# Altium PCB PFC_Stage.PcbDoc (part 3 of 5)
Units mil, origin at the board's own origin, x right, y up, seen from the top; angles counter-clockwise.
Board outline 14960.63 x 6299.21 mil, 2 copper layers (Top Layer, Bottom Layer), stack 64.567 mil thick; 586 components, 249 nets, 1375 pads, 1157 vias.
Unrouted connection lines stored in the file: 732.
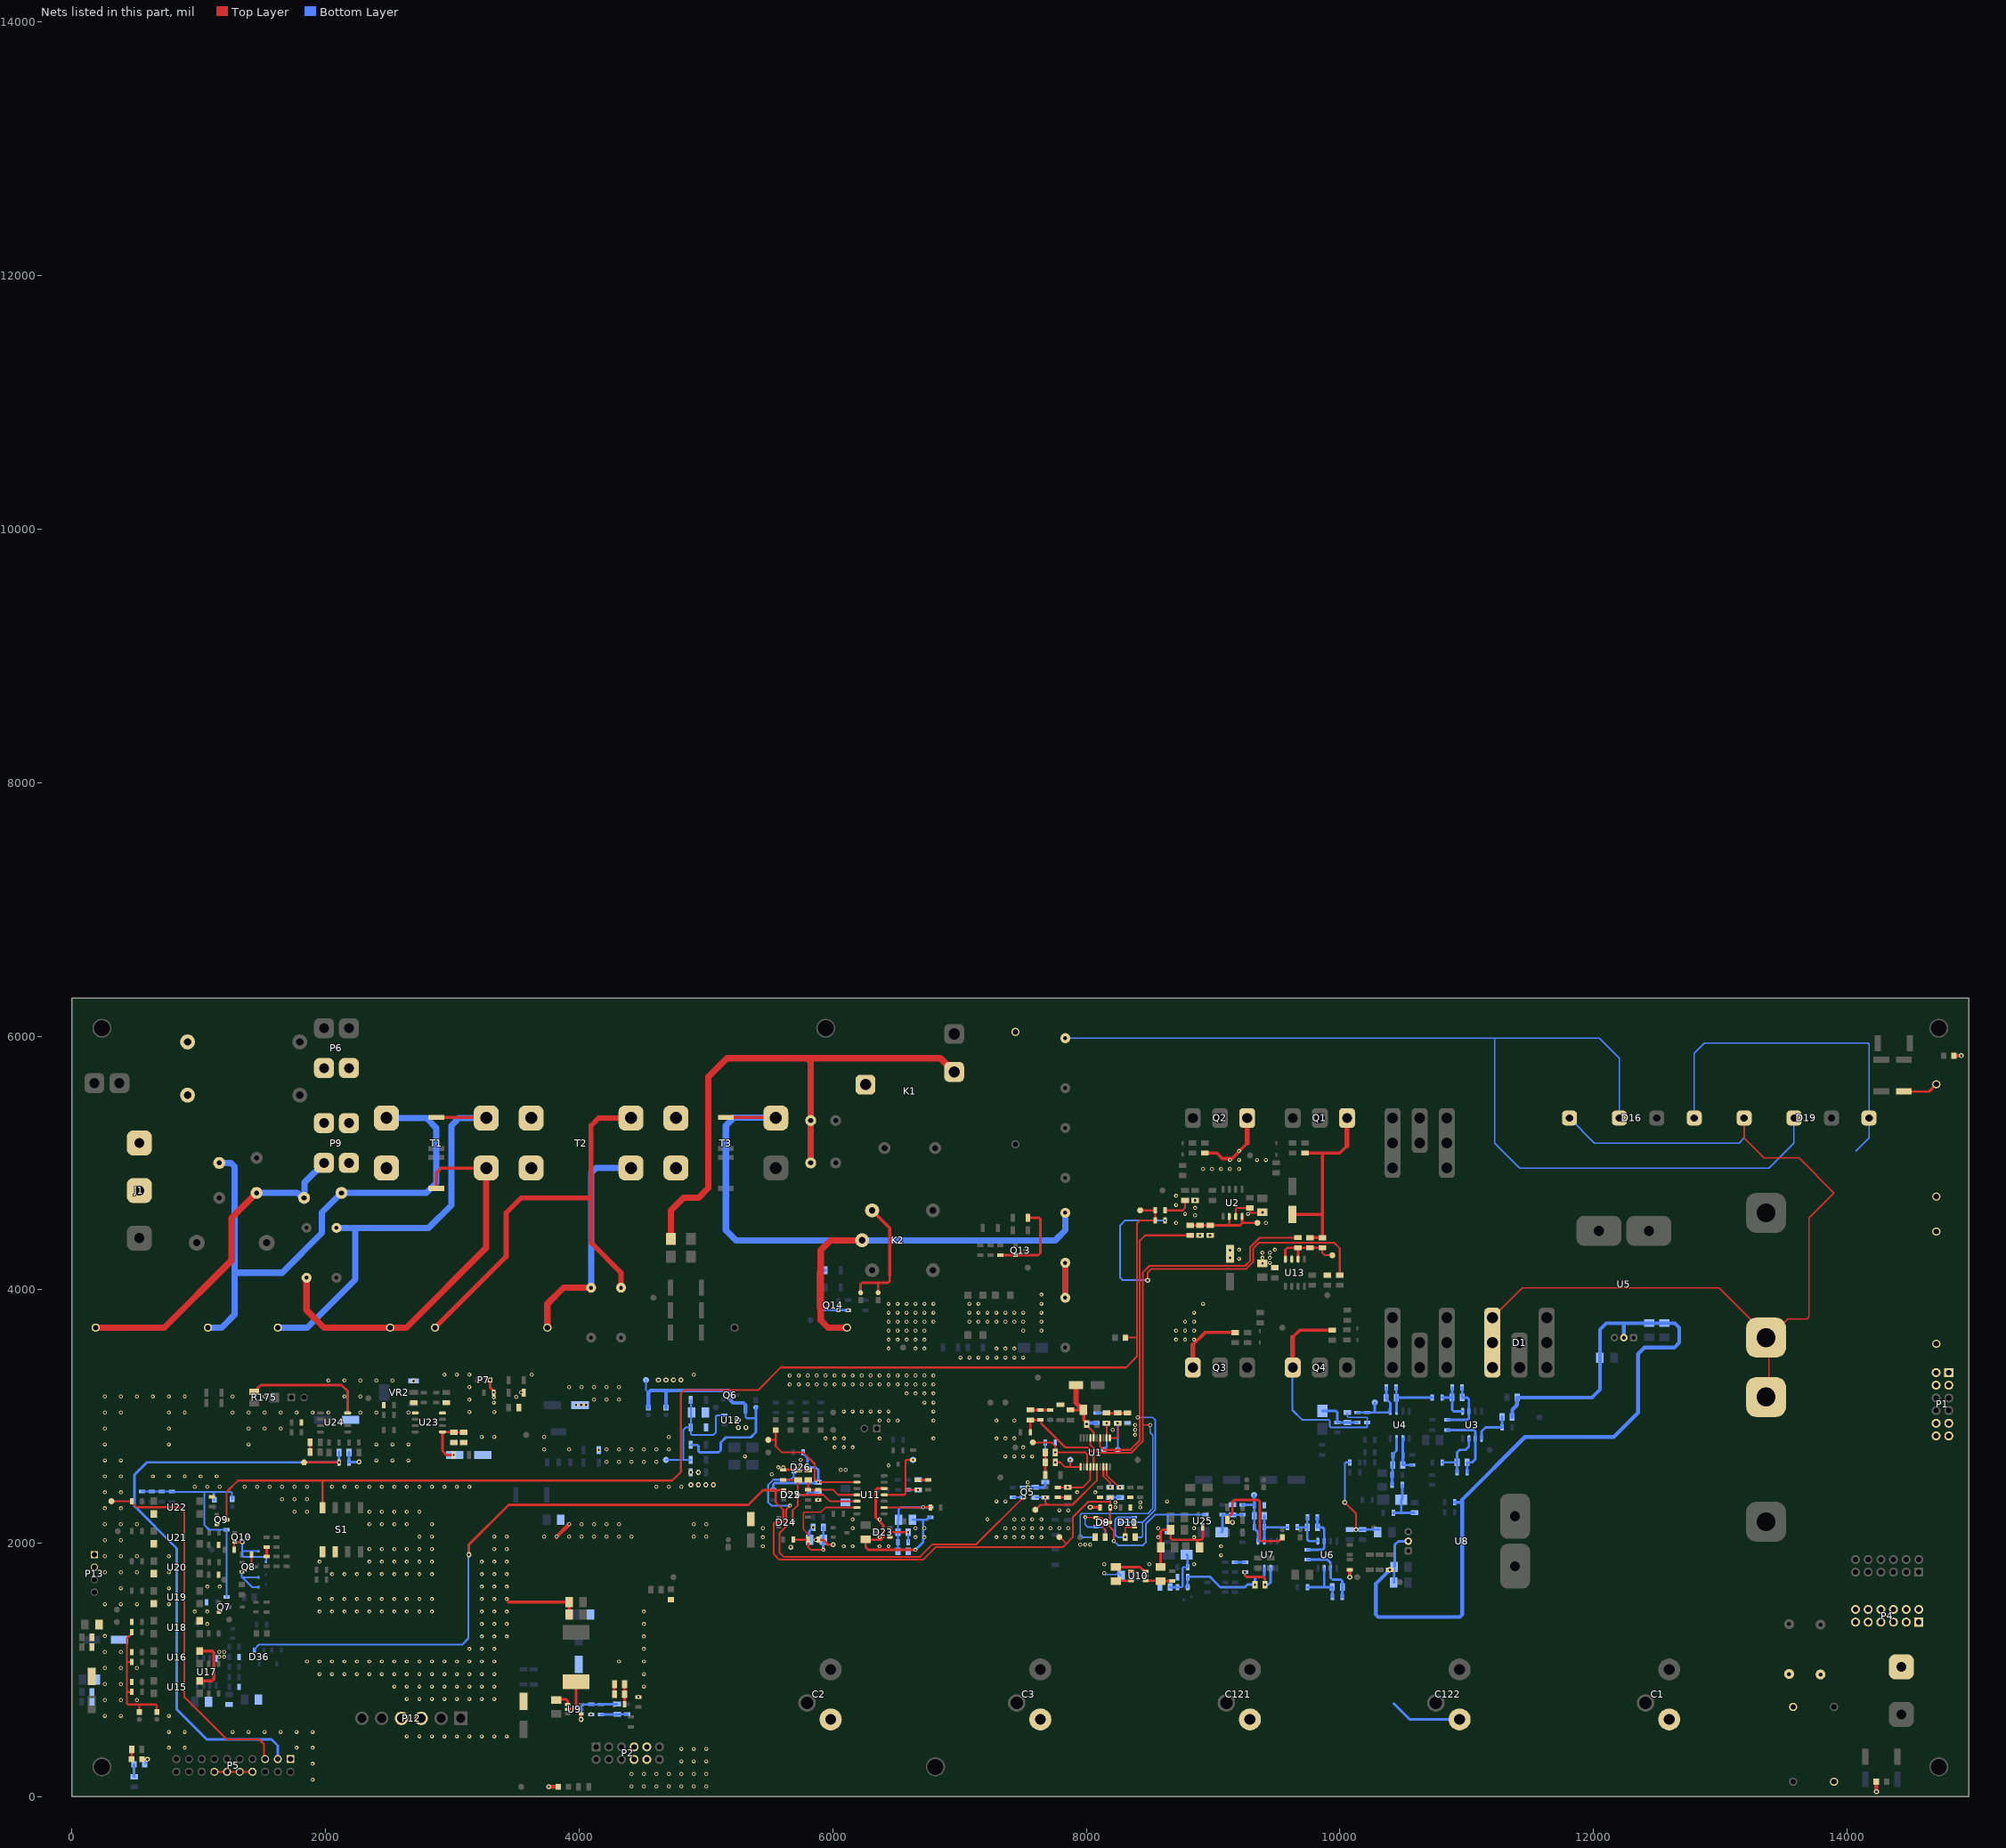
[diagram p3: the nets of this part, all layers, seen from the top]

## Via types
v1: diameter 31.5, hole 15.75, Top Layer to Bottom Layer, tented both sides, 804 vias
v2: diameter 39.37, hole 19.68, Top Layer to Bottom Layer, tented both sides, 282 vias
v3: diameter 50, hole 19.68, Top Layer to Bottom Layer, tented both sides, 68 vias
v4: diameter 50, hole 28, Top Layer to Bottom Layer, tented both sides, 3 vias

## Nets (pads, with @x,y where several pads share a name; then routed paths per layer and width w, separated by ;. In a path a pad name is that pad's centre, name@x,y a point inside that pad or via, vN(x,y) a via of type N, cw(c..) or ccw(c..) an arc to the next point about the centre after c; other vN are vias at no path point) (continued)
CSB: CSB.1 D9.3 D25.1 D36.1 R19.2 R22.1 R28.2 R82.1 R83.1 | length 10180.6
  Top Layer w15: 5551.18,2419.29 5551.18,2322.83 5610.85,2263.17 5610.85,2174.14 5602.06,2165.35 5543.47,2165.35 5534.69,2156.57 5534.69,1914.9 5579.51,1870.08 6712.6,1870.08 6811.02,1968.5 7814.96,1968.5 7843.2,1996.75 ; CSB.1@7787.4,2049.21 7790.74,2049.21 7843.2,1996.75 ; R28.2@8188.98,2362.2 8188.98,2327.15 ; v1(8216.91,2017.41) 8218.81,2019.31 8218.81,2096.15 8184.06,2130.91 D9.3@8184.06,2165.35 8184.67,2165.35 8188.98,2169.67 v1(8188.98,2283.46) 8188.98,2327.15 ; 7843.2,1996.75 7893.7,2047.24 7893.7,2204.72 8016.12,2327.15 8188.98,2327.15
  Top Layer w20: v2(3130.61,1909.45) 3129.92,1910.14 3129.92,1988.24 3444.83,2303.15 5334.65,2303.15 5450.79,2419.29 5551.18,2419.29 D25.1@5615.16,2419.29
  Bottom Layer w15: D36.1@1438.98,1156.5 1438.98,1164.37 1475.39,1200.79 3077.89,1200.79 3126.73,1249.63 3126.73,1905.57 v2(3130.61,1909.45) ; v1(8216.91,2017.41) 8250.16,1984.16 8447.32,1984.16 8469.8,2006.64 8469.8,2151.51 8542.7,2224.41 8641.73,2224.41 ; R83.1@8641.73,2086.61 8641.73,2224.41 ; R82.1@8937.01,2224.41 8641.73,2224.41
Driver_Enable_9: DE_TP.1 LED_Drv.1 Q9.3 R204.2 R205.1 R229.2 S1.4 | length 9907.8
  Top Layer w15: Q9.3@1220.07,2185.77 1220.07,2404.66 1309.72,2494.31 1975.98,2494.31 ; S1.4@1975.98,2279.53 1975.98,2494.31 ; LED_Drv.1@8309.06,3622.05 8397.96,3622.05 8399.53,3623.61 ; DE_TP.1@8425.2,4625.98 R204.2@8543.31,4625.98 R229.2@8543.31,4547.24 8425.2,4547.24 8399.53,4521.58 8399.53,3623.61 ; 1975.98,2494.31 4734.92,2494.31 4803.15,2562.54 4803.15,3178.47 4833.34,3208.66 5413.39,3208.66 5590.55,3385.83 8313.07,3385.83 8399.53,3472.29 8399.53,3623.61
  other v1: 1220.47,2185.04
Driver_Enable_SIG_9: GATE_EN_ISO_TP.1 P5.5 R209.2 | length 2978
  Top Layer w15: GATE_EN_ISO_TP.1@311.69,2331.44 R209.2@472.44,2331.44 472.44,2320.61 509.59,2283.46 846.46,2283.46 885.83,2244.1 885.83,787.4 1220.47,452.76 1476.38,452.76 1515.75,413.39 1515.75,304.72 P5.5@1523.62,296.85
ENA: R162.2 R204.1 | length 224.1
  Top Layer w15: R204.1@8622.05,4625.98 8759.84,4625.98 8779.53,4645.67 R162.2@8779.53,4704.09
ENB: R165.2 R229.1 | length 2974.6
  Top Layer w15: v2(8484.25,4074.8) 8484.25,4133.86 8515.19,4164.79 9263.22,4164.79 9315.49,4217.06 9315.49,4324.63 9361.61,4370.75 9955.52,4370.75 10000,4326.28 R165.2@10000,4114.8
  Bottom Layer w15: v2(8484.25,4074.8) 8287.4,4074.8 8267.72,4094.49 8267.72,4507.87 8307.09,4547.24 v1(8622.05,4547.24)
GDA: D11.3 R17.1 R163.1 U1.14 | length 3769
  Top Layer w12: v1(8405.51,2992.13) 8422.01,2992.13
  Top Layer w15: U1.14@8109.25,2830.71 8109.25,2765.68 8138.71,2736.22 8346.46,2736.22 8422.01,2811.77 8422.01,2992.13 8422.01,3365.06 8422.41,3365.45 8422.41,4386.97 8464.57,4429.13 8818.27,4429.13 R163.1@8818.9,4428.5
  Bottom Layer w12: D11.3@8272.64,2165.35 8444.88,2165.35 8444.88,2054.27 8437.85,2047.24 R17.1@8385.2,2047.24 ; v1(8405.51,2992.13) 8523.62,2992.13 8544.91,2970.83 8544.91,2266.68 8443.59,2165.35
GDB: D8.3 R16.1 R166.1 U1.17 | length 4938.3
  Top Layer w12: 8444.88,2933.07 v1(8503.94,2933.07)
  Top Layer w15: U1.17@8032.48,2830.71 8032.48,2774.61 8093.74,2713.35 8355.93,2713.35 8444.88,2802.3 8444.88,2933.07 8444.88,3355.58 8445.28,3355.98 8445.28,4134.26 8498.88,4187.86 9253.94,4187.86 9291.34,4225.26 9291.34,4332.83 9369.21,4410.7 R166.1@9670.52,4410.7
  Bottom Layer w12: R16.1@8070.88,2047.24 7972.44,2047.24 7952.76,2066.93 7952.76,2224.41 7963.49,2235.14 8184.06,2235.14 ; D8.3@8184.06,2165.35 8184.06,2235.14 ; v1(8503.94,2933.07) 8503.94,2874.02 8525.04,2852.91 8525.04,2274.91 8485.27,2235.14 8184.06,2235.14
GND_D: 5V_D.1 15V_D.1 C107.2 C108.2 C111.2 C115.2 C116.2 C118.1 C123.2 C127.2 C128.2 C129.2 C130.2 C131.2 C132.1 C133.1 P5.1 P5.8 P5.10 P5.12 P5.14 P13.1 P13.2 R175.3 R182.1 R185.1 R186.2 R250.2 R251.2 R255.2 U19.2 U20.2 U21.2 U22.2 U23.5 U24.4 VR2.1 | length 1586.4
  Top Layer w15: P5.14@1123.62,196.85 P5.12@1223.62,196.85 P5.10@1323.62,196.85 P5.8@1423.62,196.85
  Top Layer w20: 5V_D.1@553.15,295.28 v2(594.49,295.28) ; R175.3@1437.01,3194.88 1450.79,3194.88 1466.38,3210.47 1466.38,3224.25 1490.16,3248.03 2125.98,3248.03 2174.21,3199.8 U24.4@2174.21,3027.76 ; C116.2@1877.66,2717.59 1878.07,2718.01 1878.07,2794.86 C115.2@1878.49,2795.28
  Bottom Layer w10: 15V_D.1@572.83,255.91 589.49,272.56 589.49,290.28 v2(594.49,295.28)
  Bottom Layer w20: C111.2@2185.67,2716.54 2185.35,2716.22 2185.35,2638.11 R251.2@2185.04,2637.8 2186.54,2639.3 2261.4,2639.3 v2(2263.78,2641.67)
  other v1: 1897.64,133.86 1897.64,259.84 763.78,385.83 889.76,385.83 1771.65,385.83 1897.64,385.83 763.78,511.81 889.76,511.81 1267.72,511.81 1393.7,511.81 1519.69,511.81 1645.67,511.81 1771.65,511.81 1897.64,511.81 259.84,637.8 385.83,637.8 763.78,637.8 259.84,763.78 385.83,763.78 511.81,763.78 259.84,889.76 385.83,889.76 259.84,1015.75 385.83,1015.75 511.81,1015.75 259.84,1141.73 385.83,1141.73 259.84,1267.72 259.84,1519.69 385.83,1519.69 511.81,1519.69 763.78,1519.69 385.83,1645.67 763.78,1645.67 259.84,1771.65 385.83,1771.65 511.81,1771.65 763.78,1771.65 259.84,1897.64 385.83,1897.64 511.81,1897.64 763.78,1897.64 259.84,2023.62 385.83,2023.62 259.84,2149.61 385.83,2149.61 511.81,2149.61 259.84,2275.59 385.83,2275.59 259.84,2401.58 385.83,2401.58 259.84,2527.56 385.83,2527.56 637.8,2527.56 763.78,2527.56 889.76,2527.56 1015.75,2527.56 1141.73,2527.56 259.84,2653.54 385.83,2653.54 2401.58,2653.54 2527.56,2653.54 2653.54,2653.54 259.84,2779.53 763.78,2779.53 1393.7,2779.53 2401.58,2779.53 2527.56,2779.53 2653.54,2779.53 259.84,2905.51 763.78,2905.51 1393.7,2905.51 1519.69,2905.51 1645.67,2905.51 259.84,3031.5 385.83,3031.5 763.78,3031.5 889.76,3031.5 1267.72,3031.5 1393.7,3031.5 1519.69,3031.5 1645.67,3031.5 1771.65,3031.5 1897.64,3031.5 2023.62,3031.5 2275.59,3031.5 2401.58,3031.5 2653.54,3031.5 259.84,3157.48 385.83,3157.48 511.81,3157.48 637.8,3157.48 763.78,3157.48 889.76,3157.48 1267.72,3157.48 1519.69,3157.48 2149.61,3157.48 2275.59,3157.48 2023.62,3283.47 2149.61,3283.47 2275.59,3283.47 2401.58,3283.47 2527.56,3283.47
  other v2: 2693.9,3279.53
GND_HV: C1.2 C2.2 C3.2 C4.2 C5.1 C6.1 C7.1 C8.1 C9.1 C10.1 C11.2 C12.2 C14.2 C16.2 C18.2 C19.2 C20.2 C21.2 C22.2 C23.2 C26.1 C28.1 C31.1 C32.1 C33.1 C38.1 C41.1 C43.1 C44.1 C46.1 C47.1 C48.1 C53.1 C57.1 C58.1 C69.1 C70.2 C71.1 C72.2 C75.1 C76.1 C77.1 C78.1 C79.2 C80.2 C81.1 C84.1 C85.2 C86.1 C87.2 C88.1 C89.2 C90.2 C91.2 C92.1 C93.2 C94.1 C95.1 C96.1 C97.2 C98.1 C99.1 C100.1 C101.2 C102.1 C103.1 C104.2 C109.2 C112.1 C113.2 C117.2 C119.1 C120.1 C121.2 C122.2 C124.2 C125.2 C126.2 D16.3 D19.3 GND_OA.1 LED_5V.1 LED_15V.1 LED_400V.1 LED_HV_RC.1 P1.9 P1.10 P1.11 P1.12 P2.7 P2.8 P2.9 P2.10 P4.1 P4.2 P4.3 P4.4 P4.5 P4.6 P4.7 P4.8 P4.9 P4.10 P4.11 P4.12 P7.1 P11.2 P12.3 P12.4 Q1.3 Q2.3 Q3.3 Q4.3 Q5.3 Q7.2 Q9.2 Q13.2 Q14.2 R5.1 R6.1 R14.1 R15.1 R18.1 R22.2 R23.1 R24.1 R29.2 R31.2 R33.1 R34.2 R35.2 R36.2 R37.2 R39.2 R40.2 R41.2 R54.2 R63.1 R65.1 R67.1 R69.2 R80.2 R81.2 R90.1 R92.1 R94.1 R114.1 R116.1 R123.2 R132.2 R138.2 R140.2 R144.2 R149.1 R151.1 R158.1 R159.1 R164.1 R167.1 R168.2 R170.2 R192.1 R196.2 R199.1 R210.1 R212.1 R214.1 R218.1 R220.1 R227.2 R228.1 R232.1 R237.2 R242.1 R245.1 R249.2 S1.5 S1.6 U1.16 U2.3 U5.2 U8.2 U9.1 U10.4 U11.12 U12.3 U13.3 U15.2 U16.2 U17.4 U18.2 U23.4 U25.3 | length 25045.3
  Top Layer w10: Q1.3@10056.69,5354.33 10056.69,5355.74 10112.67,5411.71 Q1.3@10114.08,5411.71
  Top Layer w15: v2(8003.79,2940.18) 8003.79,2930.18 8016.29,2917.68 8016.9,2917.68 8058.07,2876.51 U1.16@8058.07,2830.71 ; U2.3@9178.54,4577.76 9178.54,4636.25 9187.33,4645.04 C94.1@9291.34,4645.04 9291.34,4615.09 9300.13,4606.3 9385.71,4606.3 v2(9389.76,4610.35) ; v2(10039.37,2322.83) 10127.95,2234.25 v2(10127.95,2107.24)
  Top Layer w20: R227.2@1535.43,1895.67 R237.2@1535.43,1968.5 ; P7.1@3298.03,3287.4 3298.03,3228.54 3326.77,3199.8 v1(3326.77,3188.98) ; C70.2@3818.9,763.66 3822.95,767.72 3897.46,767.72 3909.18,756 U9.1@3909.18,728.06 ; R138.2@5610.24,2578.74 5610.55,2579.06 5728.03,2579.06 C84.1@5728.35,2579.37 C87.2@5807.09,2579.37 ; R132.2@5885.83,2027.56 5925.2,2027.56 5964.57,1988.19 v2(6003.94,1988.19) ; U11.12@6406.5,2431.89 6350.3,2431.89 6338.58,2420.17 6338.58,2204.72 6397.64,2145.67 6397.64,2047.24 6377.95,2027.56 6263.9,2027.56 C90.2@6259.84,2031.61 6259.84,1968.5 6279.53,1948.82 v1(6653.54,1948.82) ; R149.1@6673.23,2500 R151.1@6751.97,2500 ; R212.1@7322.83,4271.65 7323.82,4272.64 7439.96,4272.64 Q13.2@7440.94,4273.62 7620.08,4273.62 7637.8,4291.34 7637.8,4555.21 7626.08,4566.93 R210.1@7540.35,4566.93 ; C12.2@7559.06,3051.81 7559.37,3051.5 7637.48,3051.5 R29.2@7637.8,3051.18 R40.2@7716.54,3051.18 ; R39.2@7676.18,2539.37 7676.36,2539.55 7676.36,2637.62 C21.2@7676.54,2637.8 C14.2@7676.55,2716.54 ; R31.2@7775.59,2361.57 7775.91,2361.26 7854.02,2361.26 C19.2@7854.33,2360.94 ; C20.2@7874.02,3051.81 7975.87,3051.81 C23.2@7976.5,3051.18 ; C18.2@8161.07,3027.42 8161.24,3027.25 8247.85,3027.25 C16.2@8248.02,3027.08 ; C16.2@8248.05,3027.04 C117.2@8326.25,3027.04 ; U10.4@8338.74,1777.24 8339.99,1778.49 U10.4@8352.36,1778.49 ; C76.1@8586.58,1811.72 8586.58,1968.35 C77.1@8586.73,1968.5 8586.73,2090.67 8602.36,2106.3 R123.2@8665.47,2106.3 8665.47,2039.27 8677.19,2027.56 8877.95,2027.56 ; C78.1@8893.58,1968.5 8877.95,1984.13 8877.95,2027.56 ; U25.3@8919.29,2122.05 8919.29,2039.27 8907.58,2027.56 8877.95,2027.56 ; R94.1@9113.19,2185.04 9113.19,2199.8 9153.54,2240.16 9153.54,2330.8 9165.26,2342.52 9358.36,2342.52 9370.08,2330.8 9370.08,2028.45 9381.79,2016.73 9516.73,2016.73 9533.62,2033.62 9537.56,2033.62 9547.24,2043.31 GND_OA.1@9547.24,2047.24
  Top Layer w25: U15.2@1007.87,914.57 1104.21,914.57 1118.85,929.21 1118.85,1136.14 1104.21,1150.79 U16.2@1007.87,1150.79 ; 3444.88,1535.43 C124.2@3921.38,1535.43 C72.2@3921.38,1437.01 ; C23.2@7976.5,3051.18 7980.29,3047.39 7980.29,2973.68 8003.79,2950.18 v2(8003.79,2940.18) ; v2(8031.5,2283.46) R22.2@8110.24,2283.46 ; 8840.94,3565.35 8937.64,3662.05 R14.1@9173.23,3662.05 ; R5.1@8937.01,5078.11 9030.03,5078.11 9073.4,5034.74 9148.92,5034.74 9269.29,5155.12 ; R94.1@9113.19,2185.04 9113.19,2172.34 9117.42,2168.1 9150.79,2168.1 v2(9153.54,2165.35) ; C96.1@9625.98,4594.49 9862.2,4594.49 ; 9628.35,3624.41 9685.67,3681.73 R15.1@9940.94,3681.73 ; R6.1@9724.41,5078.11 9862.2,5078.11 ; C97.2@9763.78,4410.08 R167.1@9862.2,4410.08 9862.2,4594.49 ; 10056.69,5135.43 9999.37,5078.11 9862.2,5078.11 ; v2(10078.74,1732.28) R92.1@10078.74,1791.34 ; 9862.2,4594.49 9862.2,5078.11
  Top Layer w30: v2(3759.84,78.74) LED_15V.1@3834.65,78.74 ; v1@3820.86,2049.21 v1(3921.26,2149.61) ; LED_400V.1@14230.31,118.11 14231.3,117.13 14231.3,40.35 v2(14232.28,39.37) ; LED_HV_RC.1@14844.49,5846.46 v2(14901.57,5846.46)
  Top Layer w39.37: C22.2@7919.42,3247.36 7919.42,3108.26 7956.18,3071.5 7966.18,3071.5 7976.5,3061.18 C23.2@7976.5,3051.18
  Top Layer w40: Q3.3@8840.94,3385.83 8840.94,3565.35 ; 9269.29,5155.12 Q2.3@9269.29,5354.33 ; Q4.3@9628.35,3385.83 9628.35,3624.41 ; 10056.69,5135.43 Q1.3@10056.69,5354.33
  Bottom Layer w10: 8129.92,1751.97 8236.24,1751.97 8250.35,1766.08 C75.1@8274.78,1741.64 ; Q4.3@9628.35,3385.83 Q4.3@9645.67,3368.5 ; D16.3@12795.28,5354.33 12795.28,5866.14 12874.02,5944.88 14167.37,5944.88 14173.23,5939.02 14173.23,5196.85 14070.08,5093.7
  Bottom Layer w12: Q4.3@9625.98,3383.46 Q4.3@9628.35,3385.83 ; C28.1@10059.06,3032.13 10059.06,2999.16 10066.08,2992.13 10209.51,2992.13 10216.54,2985.1 R54.2@10216.54,2952.76
  Bottom Layer w15: Q4.3@9625.98,3383.46 9625.98,3051.18 9704.73,2972.44 9912.47,2972.44 9921.26,2963.65 9921.26,2922.17 9930.05,2913.39 10209.51,2913.39 10216.54,2920.42 R54.2@10216.54,2952.76 ; v2(10039.37,2322.83) 10039.37,2629.01 10048.16,2637.8 R63.1@10078.74,2637.8
  Bottom Layer w20: C80.2@5817.05,2027.56 5817.05,2094.27 5828.76,2105.98 5835.83,2105.98 5845.83,2115.98 C81.1@5845.83,2125.98 ; R220.1@5943.9,4153.54 5897.54,4153.54 5885.83,4141.83 5885.83,3850.3 5897.54,3838.58 6041.34,3838.58 Q14.2@6043.31,3840.55 v1(6044.29,3839.57) 6121.06,3839.57 R218.1@6122.05,3838.58 ; C85.2@6629.8,2185.04 6712.6,2185.04 ; v1(6653.54,1948.82) 6712.6,2007.87 6712.6,2185.04 ; R140.2@6771.65,2204.72 6760.83,2204.72 6741.14,2185.04 6712.6,2185.04 ; R24.1@7500,2440.94 v1(7539.37,2440.94) 7597.8,2440.94 C11.2@7598.43,2441.57 7599.06,2440.94 7665.45,2440.94 7677.17,2452.66 R18.1@7677.17,2481.3 ; C9.1@8188.98,2361.57 C10.1@8267.72,2361.57 ; R90.1@9173.23,1850.39 R69.2@9251.97,1850.39 ; v2(10127.95,2107.24) 10176.85,2107.24 C46.1@10177.17,2107.56 C53.1@10310.28,2107.56 ; 10425.94,735.48 10551.18,610.24 C122.2@10944.88,610.24 ; C47.1@10425.94,1690.8 10427.66,1692.52 C48.1@10427.66,1812.12 10433.07,1817.53 10433.07,1988.19 10460.63,2015.75 U8.2@10539.37,2015.75
  Bottom Layer w25: v2(8003.79,2940.18) 8007.68,2940.18 8016.6,2949.1 R37.2@8081.47,2949.1 ; R65.1@10905.51,2322.83 10961.74,2322.83 10964.57,2320
  Bottom Layer w30: v2(10393.7,1790.35) 10284.64,1681.3 10284.64,1434.9 10302.22,1417.32 10946.99,1417.32 10964.57,1434.9 10964.57,2320 10964.57,2342.52 11460.06,2838.02 12160.58,2838.02 12351.75,3029.18 12351.75,3493.48 12401.57,3543.31 12637.8,3543.31 12677.17,3582.68 12677.17,3700.79 12641.85,3736.1 C33.1@12559.06,3736.1 C32.1@12440.94,3736.1 12240.55,3736.1 ; C31.1@11359.53,2997.13 11359.53,3052.44 11397.64,3090.55 11397.64,3148.98 C26.1@11398.27,3149.61 11988.19,3149.61 12051.3,3212.72 C38.1@12051.3,3464.57 12051.3,3685.16 12102.24,3736.1 12240.55,3736.1 ; U5.2@12240.55,3622.05 12240.55,3736.1
  other v1: 4413.39,82.68 4511.81,82.68 4610.24,82.68 4708.66,82.68 4807.09,82.68 4905.51,82.68 5003.94,82.68 4413.39,181.1 4511.81,181.1 4610.24,181.1 4708.66,181.1 4807.09,181.1 4905.51,181.1 5003.94,181.1 4807.09,279.53 4905.51,279.53 5003.94,279.53 4807.09,377.95 4905.51,377.95 5003.94,377.95 2641.73,476.38 2740.16,476.38 2838.58,476.38 2937.01,476.38 3035.43,476.38 3133.86,476.38 3232.28,476.38 3330.71,476.38 3429.13,476.38 4094.49,649.61 2641.73,771.65 2740.16,771.65 2838.58,771.65 2937.01,771.65 3035.43,771.65 3133.86,771.65 3232.28,771.65 3330.71,771.65 4468.5,787.4 2543.31,870.08 2641.73,870.08 2740.16,870.08 2838.58,870.08 2937.01,870.08 3035.43,870.08 3133.86,870.08 3232.28,870.08 3330.71,870.08 4511.81,870.08 1952.76,968.5 2051.18,968.5 2149.61,968.5 2248.03,968.5 2346.46,968.5 2444.88,968.5 2543.31,968.5 2641.73,968.5 2740.16,968.5 2838.58,968.5 2937.01,968.5 3035.43,968.5 3133.86,968.5 3232.28,968.5 3330.71,968.5 4511.81,968.5 1854.33,1066.93 1952.76,1066.93 2051.18,1066.93 2149.61,1066.93 2248.03,1066.93 2346.46,1066.93 2444.88,1066.93 2543.31,1066.93 2641.73,1066.93 2740.16,1066.93 2838.58,1066.93 2937.01,1066.93 3035.43,1066.93 3133.86,1066.93 3232.28,1066.93 3330.71,1066.93 4314.96,1066.93 4511.81,1066.93 1161.42,1102.36 1200.79,1102.36 1161.42,1141.73 1200.79,1141.73 3133.86,1165.35 3232.28,1165.35 3330.71,1165.35 4511.81,1165.35 3232.28,1263.78 3330.71,1263.78 3429.13,1263.78 4511.81,1263.78 1066.93,1362.2 3232.28,1362.2 3330.71,1362.2 3429.13,1362.2 4511.81,1362.2 968.5,1460.63 1066.93,1460.63 1952.76,1460.63 2051.18,1460.63 2149.61,1460.63 2248.03,1460.63 2346.46,1460.63 2444.88,1460.63 2543.31,1460.63 2641.73,1460.63 2740.16,1460.63 2838.58,1460.63 3232.28,1460.63 3330.71,1460.63 3429.13,1460.63 4511.81,1460.63 1952.76,1559.06 2051.18,1559.06 2149.61,1559.06 2248.03,1559.06 2346.46,1559.06 2444.88,1559.06 2543.31,1559.06 2641.73,1559.06 2740.16,1559.06 2838.58,1559.06 3232.28,1559.06 3330.71,1559.06 3429.13,1559.06 1066.93,1657.48 1165.35,1657.48 3232.28,1657.48 3330.71,1657.48 3429.13,1657.48 2051.18,1755.91 2149.61,1755.91 2248.03,1755.91 2346.46,1755.91 2444.88,1755.91 2543.31,1755.91 2641.73,1755.91 2740.16,1755.91 2838.58,1755.91 3232.28,1755.91 3330.71,1755.91 3429.13,1755.91 8141.73,1763.78 8141.73,1834.64 8496.06,1834.64 8850.39,1834.64 1952.76,1854.33 2346.46,1854.33 2444.88,1854.33 2543.31,1854.33 2641.73,1854.33 2740.16,1854.33 2838.58,1854.33 3232.28,1854.33 3330.71,1854.33 3429.13,1854.33 9062.99,1905.51 2346.46,1952.76 2444.88,1952.76 2543.31,1952.76 2641.73,1952.76 2740.16,1952.76 2838.58,1952.76 3330.71,1952.76 3429.13,1952.76 5448.82,1976.38 6086.61,1976.38 6157.48,1976.38 6370.07,1976.38 6440.94,1976.38 9062.99,1976.38 7952.76,1988.19 7992.13,1988.19 8031.5,1988.19 5866.14,2027.56 5448.82,2047.24 6370.07,2047.24 6653.54,2047.24 6724.4,2047.24 7291.33,2047.24 7362.2,2047.24 7433.07,2047.24 7503.93,2047.24 7574.8,2047.24 7645.66,2047.24 8566.92,2047.24 8850.39,2047.24 2740.16,2051.18 2838.58,2051.18 3330.71,2051.18 3429.13,2051.18 3724.41,2051.18 3822.83,2051.18 3921.26,2051.18 4019.69,2051.18 4118.11,2051.18 4216.54,2051.18 4314.96,2051.18 4413.39,2051.18 4905.51,2051.18 5003.94,2051.18 5448.82,2118.11 6157.48,2118.11 6653.54,2118.11 6724.4,2118.11 7362.2,2118.11 7433.07,2118.11 7503.93,2118.11 7574.8,2118.11 7645.66,2118.11 7716.53,2118.11 7787.4,2118.11 7858.26,2118.11 8566.92,2118.11 8850.39,2118.11 5846.46,2125.98 2346.46,2149.61 2444.88,2149.61 2543.31,2149.61 2641.73,2149.61 2838.58,2149.61 4019.69,2149.61 4118.11,2149.61 4216.54,2149.61 4314.96,2149.61 4905.51,2149.61 5003.94,2149.61 6157.48,2188.97 6370.07,2188.97 7220.47,2188.97 7433.07,2188.97 7503.93,2188.97 7574.8,2188.97 7645.66,2188.97 1755.91,2248.03 1854.33,2248.03 2346.46,2248.03 2444.88,2248.03 2543.31,2248.03 2641.73,2248.03 2740.16,2248.03 7787.4,2259.84 7858.26,2259.84 8228.35,2283.46 8425.2,2283.46 8228.35,2322.83 8425.2,2322.83 7291.33,2330.71 7362.2,2330.71 8637.79,2330.71 5885.83,2342.52 1657.48,2346.46 1755.91,2346.46 1854.33,2346.46 5661.41,2401.57 7929.13,2401.57 8070.86,2401.57 968.5,2444.88 1066.93,2444.88 1165.35,2444.88 1362.2,2444.88 1460.63,2444.88 1559.06,2444.88 1657.48,2444.88 1755.91,2444.88 1854.33,2444.88 2051.18,2444.88 2149.61,2444.88 2248.03,2444.88 2346.46,2444.88 2444.88,2444.88 2543.31,2444.88 2641.73,2444.88 2740.16,2444.88 2838.58,2444.88 2937.01,2444.88 3035.43,2444.88 3133.86,2444.88 4610.24,2444.88 4708.66,2444.88 4807.09,2444.88 7539.37,2480.32 5519.68,2543.3 5748.03,2578.74 6062.99,2578.74 6102.36,2578.74 5570.87,2598.43 5610.24,2598.43 6440.94,2614.17 5748.03,2618.11 4216.54,2641.73 4314.96,2641.73 4413.39,2641.73 4511.81,2641.73 4610.24,2641.73 5748.03,2657.48 5307.08,2685.04 7362.2,2685.04 7433.07,2685.04 7503.93,2685.04 7574.8,2685.04 4154.53,2736.22 3724.41,2740.16 3921.26,2740.16 4216.54,2740.16 4314.96,2740.16 4413.39,2740.16 4511.81,2740.16 4610.24,2740.16 4708.66,2740.16 6015.74,2755.9 6086.61,2755.9 6157.48,2755.9 7503.93,2755.9 5944.88,2826.77 6015.74,2826.77 6086.61,2826.77 6370.07,2826.77 6795.27,2826.77 7291.33,2826.77 7362.2,2826.77 7433.07,2826.77 3232.28,2838.58 3330.71,2838.58 3724.41,2838.58 4708.66,2838.58 8385.83,2854.33 8208.66,2893.7 8385.83,2893.7 8385.83,2933.07 6370.07,2968.5 6440.94,2968.5 6511.81,2968.5 6795.27,2968.5 7291.33,2968.5 7433.07,2968.5 3133.86,3035.43 3330.71,3035.43 6086.61,3039.37 6157.48,3039.37 6228.34,3039.37 6299.21,3039.37 6370.07,3039.37 6440.94,3039.37 6795.27,3039.37 3976.38,3090.55 4015.75,3090.55 4055.12,3090.55 3326.77,3110.24 6724.4,3110.23 6795.27,3110.23 3133.86,3133.86 4118.11,3133.86 4216.54,3133.86 4314.96,3133.86 3326.77,3149.61 3503.94,3154.53 6582.67,3181.1 6653.54,3181.1 6724.4,3181.1 6795.27,3181.1 3543.31,3188.98 3133.86,3232.28 3921.26,3232.28 4019.69,3232.28 4118.11,3232.28 4216.54,3232.28 4314.96,3232.28 5661.41,3251.97 5732.28,3251.97 5803.15,3251.97 5874.01,3251.97 5944.88,3251.97 6015.74,3251.97 6086.61,3251.97 6157.48,3251.97 6228.34,3251.97 6299.21,3251.97 6370.07,3251.97 6440.94,3251.97 6511.81,3251.97 6582.67,3251.97 6653.54,3251.97 6724.4,3251.97 6795.27,3251.97 5661.41,3322.83 5732.28,3322.83 5803.15,3322.83 5874.01,3322.83 5944.88,3322.83 6015.74,3322.83 6086.61,3322.83 6157.48,3322.83 6228.34,3322.83 6299.21,3322.83 6370.07,3322.83 6440.94,3322.83 6511.81,3322.83 6582.67,3322.83 6653.54,3322.83 6724.4,3322.83 6795.27,3322.83 2937.01,3330.71 3035.43,3330.71 3133.86,3330.71 3625.98,3330.71 4905.51,3330.71 7007.87,3464.56 7078.74,3464.56 7149.6,3464.56 7220.47,3464.56 7291.33,3464.56 7362.2,3464.56 7433.07,3464.56 7503.93,3464.56 6440.94,3535.43 6653.54,3535.43 6724.4,3535.43 7291.33,3535.43 7362.2,3535.43 7433.07,3535.43 6440.94,3606.3 6511.81,3606.3 6582.67,3606.3 6653.54,3606.3 6724.4,3606.3 8708.66,3606.3 8779.52,3606.3 8850.39,3606.3 6440.94,3677.16 6511.81,3677.16 6582.67,3677.16 6653.54,3677.16 6724.4,3677.16 7503.93,3677.16 7645.66,3677.16 8708.66,3677.16 8779.52,3677.16 8850.39,3677.16 6440.94,3748.03 6511.81,3748.03 6582.67,3748.03 6653.54,3748.03 6724.4,3748.03 6795.27,3748.03 7078.74,3748.03 7149.6,3748.03 7220.47,3748.03 7291.33,3748.03 7362.2,3748.03 7433.07,3748.03 7503.93,3748.03 7645.66,3748.03 8779.52,3748.03 8850.39,3748.03 6440.94,3818.89 6511.81,3818.89 6582.67,3818.89 6653.54,3818.89 6724.4,3818.89 6795.27,3818.89 7078.74,3818.89 7149.6,3818.89 7220.47,3818.89 7291.33,3818.89 7362.2,3818.89 7433.07,3818.89 7503.93,3818.89 7645.66,3818.89 8850.39,3818.89 6121.56,3839.07 6440.94,3889.76 6511.81,3889.76 6582.67,3889.76 6653.54,3889.76 6724.4,3889.76 6795.27,3889.76 7078.74,3889.76 7149.6,3889.76 7645.66,3889.76 8921.25,3889.76 7645.66,3960.63 9389.76,4208.54 9448.82,4212.6 9204.72,4244.09 9389.76,4251.97 9448.82,4251.97 9389.76,4291.34 9448.82,4291.34 9204.72,4314.96 9488.18,4314.96 8708.66,4527.56 9417.32,4527.56 8858.27,4586.61 8779.52,4598.42 9275.58,4598.42 8858.27,4645.67 8708.66,4669.29 8708.66,4740.15 8921.25,4952.75 8992.12,4952.75 9062.99,4952.75 9133.85,4952.75 9204.72,4952.75 9133.85,5023.62 9204.72,5023.62 9346.45,5023.62 9417.32,5023.62 9204.72,5094.48